# Allegro board 6089-103-RevB_76.brd (continued)
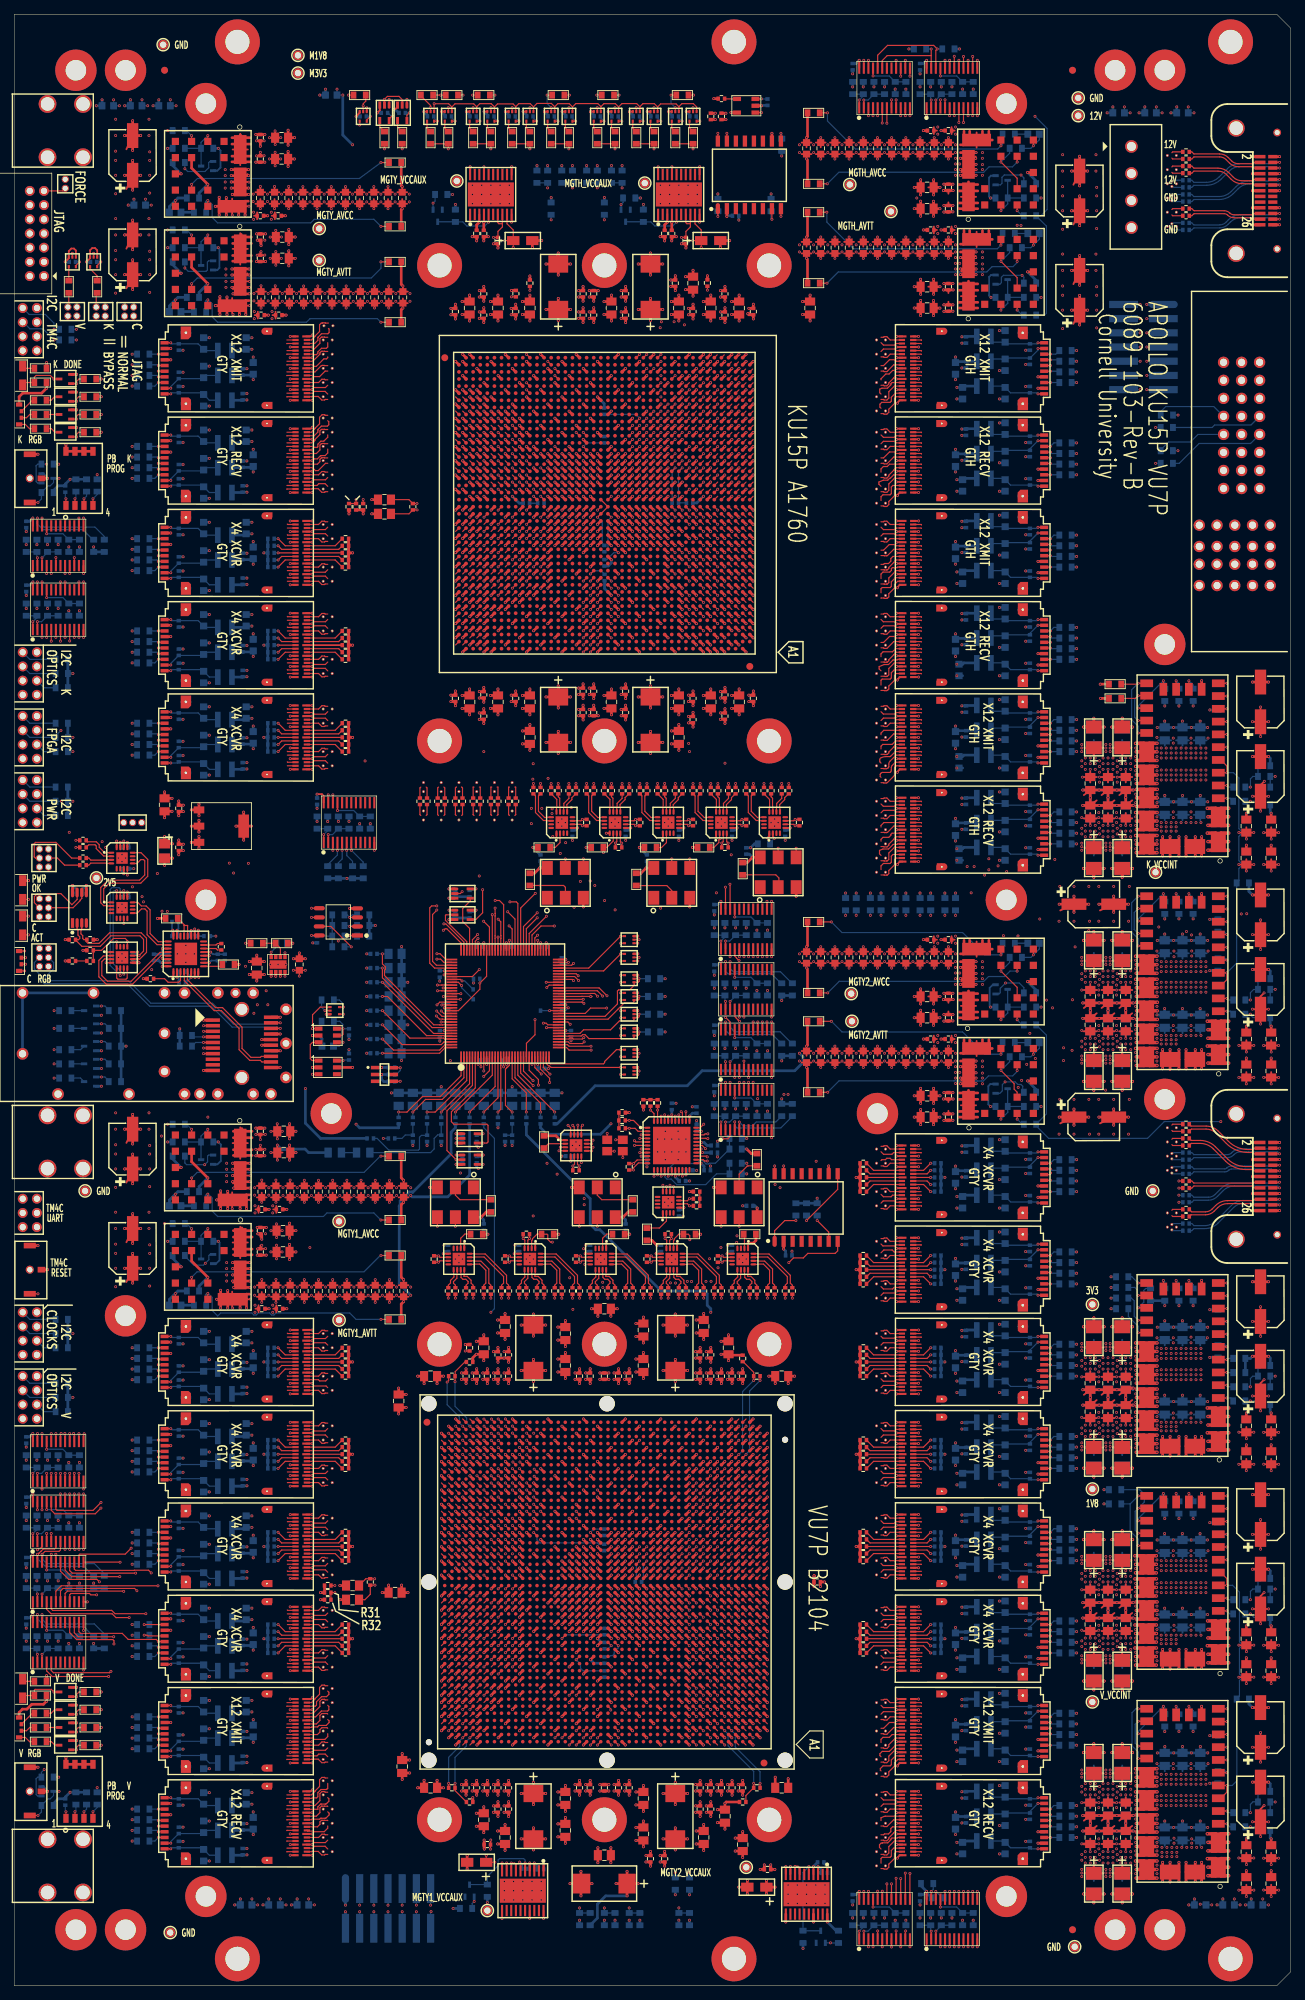
[diagram p0: board, top side]
## Nets (continued)
Pads without a net: BR1 1 2 3 4; BR2 1 2 3 4; BR3 1 2 3 4; H1 1; H2 1; H3 1; H4 1; H5 1; H6 1; H7 1; H8 1; H9 1; H10 1; H11 1; H12 1; H13 1; H14 1; H15 1; H16 1; H17 1; H18 1; J1 12 14; J2 5 6; J6 6; NOREF#2 1; NOREF#5 1; NOREF#7 1; NOREF#12 1; NOREF#13 1; NOREF#14 1; NOREF#15 1; P1 24; P2 15 16 17 18 G1 G2 G3 G4; P3 G1 G2 G3 G4; Q13 2; Q14 2; Q15 2; Q16 2; SP1 1 2 3; SP2 1 2 3; U1 1 7 11 15 16 17 18 19 20; U2 15 16 19 20; U3 17 18 19 20; U4 10 11 13 14 15 16 17 18; U5 1 10 11 19 20; U6 1 6 7 8 9 10 11 17 18 19 20; U8 1 4; U10 5 6 10 11; U11 3 4 5 6 8 10 11; U12 14 15; U13 8 9; U14 11 16 22; U15 4 5 12 13 14 16; U16 4 5 12 13 14 16; U17 4 5 12 13 14 16; U18 4 5 12 13 14 16; U31 7; U33 4; U36 8 9 10 11 13 14 15 16 17 18 19 20; U39 3 5; U43 1; U44 3 4 8; U51 2 6 12 13 14 15 16 18 19; U52 65 67 89; U54 2 6 12 13 14 15 16 18 19; U56 8; U58 3 4 8 15 16; U59 1; U61 3 4 8; U63 1; U64 3 4 8; U65 A3 A4 A9 A10 A11 A13 A14 A15 A16 A18 A19 A20 A21 A25 A26 A28 A29 A30 A31 A33 A34 A35 A36 A39 A40 AA30 AA31 AA34 AA35 AA38 AA39 AB9 AB10 AB32 AB33 AB36 AB37 AB41 AB42 AC11 AC12 AC21 AC22 AC39 AC40 AD9 AD10 AD41 AD42 AE11 AE12 AE30 AE31 AG30 AG31 AH9 AH10 AJ11 AJ12 AJ19 AJ20 AJ22 AJ23 AJ25 AJ27 AJ29 AJ30 AK9 AK10 AK20 AK21 AK22 AK23 AK25 AK26 AK27 AK28 AK30 AK31 AK32 AL19 AL20 AL21 AL23 AL26 AL28 AL29 AL30 AL31 AM19 AM21 AM22 AM23 AM24 AM26 AM27 AM28 AM29 AM31 AM32 AN19 AN20 AN21 AN22 AN24 AN25 AN26 AN27 AN29 AN30 AN31 AN32 AP14 AP15 AP17 AP18 AP19 AP20 AP22 AP23 AP24 AP25 AP27 AP28 AP29 AP30 AP32 AP33 AR15 AR16 AR17 AR18 AR20 AR21 AR22 AR23 AR25 AR26 AR27 AR28 AR30 AR31 AR32 AR33 AR35 AR36 AR37 AT13 AT14 AT15 AT16 AT18 AT19 AT20 AT21 AT23 AT24 AT25 AT26 AT28 AT29 AT30 AT31 AT33 AT34 AT35 AT36 AU12 AU13 AU16 AU17 AU18 AU19 AU21 AU22 AU23 AU24 AU26 AU27 AU28 AU29 AU31 AU33 AU34 AU36 AU37 AU38 AV5 AV6 AV12 AV15 AV16 AV17 AV19 AV20 AV21 AV22 AV24 AV25 AV26 AV27 AV29 AV30 AV31 AV34 AV35 AV36 AV37 AV39 AV40 AV41 AV42 AW13 AW14 AW15 AW17 AW18 AW19 AW20 AW22 AW23 AW24 AW25 AW27 AW29 AW30 AW32 AW33 AW34 AW35 AW37 AW38 AW39 AW40 AW42 AY5 AY6 AY10 AY11 AY12 AY13 AY17 AY18 AY20 AY21 AY22 AY23 AY25 AY26 AY27 AY30 AY31 AY32 AY33 AY35 AY36 AY37 AY38 AY40 AY41 AY42 B1 B2 B5 B6 B10 B11 B12 B13 B14 B16 B17 B18 B19 B21 B26 B27 B28 B29 B31 B32 B33 B34 B36 B37 BA9 BA10 BA11 BA13 BA15 BA16 BA18 BA19 BA20 BA21 BA23 BA24 BA25 BA26 BA28 BA30 BA31 BA33 BA34 BA35 BA36 BA38 BA39 BA40 BB9 BB11 BB12 BB13 BB18 BB19 BB21 BB22 BB23 BB24 BB26 BB27 BB28 BB29 BB31 BB33 BB34 BB36 BB37 BB38 BB39 C3 C4 C7 C8 C12 C14 C15 C16 C17 C19 C20 C25 C26 C27 C29 C30 C31 C32 C34 C35 C36 C37 D5 D6 D9 D10 D12 D13 D14 D15 D17 D18 D19 D20 D25 D27 D28 D29 D30 D32 D33 D34 D35 D37 E7 E8 E12 E13 E15 E16 E17 E18 E20 E25 E26 E27 E28 E30 E31 E32 E33 E35 E36 E37 F13 F14 F15 F16 F18 F19 F25 F26 F28 F29 F30 F31 F33 F34 F35 F36 G12 G13 G14 G16 G17 G18 G19 G26 G27 G28 G29 G31 G32 G33 G34 H12 H14 H15 H16 H17 H19 H25 H26 H27 H29 H30 H31 H32 H36 H37 J12 J13 J14 J15 J17 J18 J19 J24 J25 J27 J28 J29 J30 K9 K10 K15 K16 K17 K18 K25 K26 K27 K28 L11 L12 L14 L15 L16 L18 L19 L20 L25 L26 L28 L30 L31 M9 M10 M14 M16 M17 M18 M19 M21 M22 M24 M26 M27 M28 N11 N12 N14 N15 N16 N17 N19 N20 N21 N22 N24 N25 N26 N27 N28 P14 P15 P17 P18 P19 P20 P22 P23 P24 P25 P27 P28 R14 R15 R16 R17 R18 R21 R22 R23 R25 R26 R27 R28 R30 R31 T9 T10 T32 T33 U11 U12 V9 V10 W11 W12 W30 W31 Y32 Y33 Y36 Y37 Y41 Y42; U66 A13 A14 A15 A17 A18 A19 A20 A29 A30 A32 A33 A34 A35 A37 A38 A39 A40 AA32 AA33 AA34 AB10 AB11 AB31 AB32 AB34 AB38 AB39 AB43 AB44 AC31 AC32 AC33 AC34 AC40 AC41 AC45 AC46 AD10 AD11 AD30 AD31 AD33 AD34 AD38 AD39 AD43 AD44 AE30 AE31 AE32 AE33 AE36 AE37 AE40 AE41 AE45 AE46 AF30 AF32 AF33 AF34 AG29 AG30 AG31 AG32 AG34 AG36 AG37 AH28 AH29 AH31 AH32 AH33 AH34 AJ18 AJ19 AJ27 AJ28 AJ29 AJ30 AJ31 AJ33 AJ34 AK10 AK11 AK26 AK27 AK28 AK30 AK31 AK32 AL13 AL14 AL15 AL17 AL18 AL19 AL20 AL21 AL22 AL23 AL24 AL25 AL27 AL28 AL29 AL30 AL32 AL34 AM10 AM11 AM14 AM15 AM16 AM17 AM19 AM20 AM21 AM22 AM24 AM25 AM26 AM29 AM30 AM31 AM32 AM34 AN13 AN14 AN16 AN17 AN18 AN19 AN21 AN22 AN23 AN24 AN26 AN28 AN29 AN31 AN36 AN37 AP13 AP14 AP15 AP16 AP18 AP19 AP20 AP21 AP23 AP24 AP25 AP26 AP28 AP29 AP30 AP31 AR13 AR15 AR16 AR17 AR18 AR20 AR21 AR22 AR23 AR25 AR26 AR27 AR28 AR30 AR31 AR32 AR36 AR37 AT13 AT14 AT15 AT17 AT18 AT19 AT20 AT22 AT23 AT24 AT25 AT27 AT28 AT29 AT30 AT32 AU13 AU14 AU15 AU16 AU17 AU19 AU20 AU21 AU22 AU24 AU25 AU26 AU27 AU29 AU30 AU31 AU32 AV10 AV11 AV13 AV14 AV16 AV17 AV18 AV19 AV21 AV22 AV23 AV24 AV26 AV27 AV28 AV29 AV31 AV32 AV34 AV43 AV44 AW3 AW4 AW13 AW14 AW15 AW16 AW18 AW19 AW20 AW21 AW23 AW24 AW25 AW26 AW28 AW29 AW30 AW31 AW34 AW40 AW41 AY11 AY12 AY13 AY15 AY16 AY17 AY18 AY20 AY21 AY22 AY23 AY25 AY26 AY27 AY28 AY30 AY31 AY32 AY33 AY38 AY39 B10 B11 B14 B15 B16 B17 B19 B20 B21 B27 B31 B32 B34 B35 B36 B37 B39 B40 BA7 BA8 BA9 BA10 BA12 BA13 BA14 BA15 BA17 BA18 BA19 BA20 BA22 BA23 BA24 BA25 BA27 BA28 BA29 BA30 BA32 BA33 BB4 BB5 BB7 BB9 BB10 BB11 BB12 BB14 BB15 BB16 BB17 BB19 BB20 BB21 BB22 BB24 BB25 BB26 BB27 BB29 BB30 BB31 BB32 BB36 BB37 BC7 BC8 BC9 BC11 BC12 BC13 BC14 BC16 BC17 BC18 BC19 BC21 BC22 BC23 BC24 BC26 BC27 BC28 BC29 BC31 BC32 BC33 BC36 BC37 BD8 BD9 BD10 BD11 BD13 BD14 BD15 BD16 BD18 BD19 BD20 BD21 BD23 BD24 BD25 BD26 BD28 BD29 BD30 BD31 BD33 BD35 BE7 BE8 BE10 BE11 BE12 BE13 BE15 BE16 BE17 BE18 BE20 BE21 BE22 BE23 BE25 BE26 BE27 BE28 BE30 BE31 BE32 BE33 BE35 BF7 BF8 BF9 BF10 BF12 BF13 BF14 BF15 BF17 BF18 BF19 BF20 BF22 BF23 BF24 BF25 BF27 BF28 BF29 BF30 BF32 BF33 BF34 BF35 C13 C14 C16 C17 C18 C19 C21 C23 C24 C28 C29 C31 C32 C33 C34 C36 C37 C38 C39 D10 D11 D13 D14 D15 D16 D18 D19 D20 D21 D23 D24 D25 D26 D28 D29 D30 D31 D33 D34 D35 D36 D38 D39 D40 E13 E15 E16 E17 E18 E20 E21 E22 E23 E25 E26 E27 E28 E30 E31 E32 E33 E35 E36 E37 E38 E39 E40 F13 F14 F15 F17 F18 F19 F20 F22 F25 F27 F28 F29 F30 F32 F33 F34 F35 F37 F38 G14 G15 G16 G17 G19 G20 G21 G22 G24 G25 G26 G27 G29 G30 G31 G32 G34 G35 G36 G37 H13 H14 H16 H17 H18 H19 H21 H22 H23 H24 H26 H29 H31 H32 H33 H34 H36 H37 H38 J13 J14 J15 J16 J18 J19 J20 J21 J23 J24 J25 J26 J28 J29 J30 J31 J33 J34 J35 J36 K10 K11 K13 K15 K16 K17 K18 K20 K21 K22 K23 K25 K26 K27 K28 K30 K31 K32 K33 K34 K38 K39 L13 L14 L15 L17 L18 L19 L20 L22 L23 L24 L25 L27 L28 L29 L30 L32 L33 L34 L36 L37 M10 M11 M14 M15 M16 M17 M19 M20 M21 M22 M24 M25 M26 M27 M29 M30 M31 M32 M34 N13 N14 N16 N17 N18 N19 N21 N22 N23 N24 N26 N28 N29 N31 N32 N33 N34 P13 P14 P15 P16 P18 P19 P20 P21 P23 P24 P25 P26 P28 P29 P30 P31 P33 P34 R13 R15 R16 R17 R18 R20 R21 R25 R26 R27 R28 R30 R31 R32 R33 T26 T27 T28 T30 T32 T33 T34 U29 U30 U31 U32 U34 U36 U37 V10 V11 V31 V32 V33 V34 W30 W31 W33 W34 W36 W37 Y10 Y11 Y30 Y31 Y32 Y33; U68 8 15 16; U79 3 4 8 15 16; U80 3 4 8 13 14 15 16; U81 22 38 41 42; U82 1; U83 8; U85 2 6 12 13 14 15 16 18 19; U87 8 15 16; U88 1; U89 3 4 8; U91 15 16 17 18 19 20; U92 1 7 8 9 10 11 13 14 15 16 17 18 19 20; U93 1 8 9 10 11 18 19 20; U94 6 7 8 9 10 11 13 14 15 16; U95 3 4 5 6 11 12 13 14; U96 3 4 8 15 16; U97 1; U98 3 4 5 6 11 12 13 14; U99 2 6 12 13 14 15 16 18 19; U100 17 18; U102 1; U103 1; U118 4 5 12 13 14 16; U119 4 5 12 13 14 16; U120 4 5 12 13 14 16; U121 4 5 12 13 14 16; U122 12; U123 12; U124 8 12; U125 12; U126 12

## Via types
v1: diameter 0.406, hole 0.203, TOP to BOTTOM, 8206 vias

## Routing (per net, layer and track width the routed paths; a pad name or vN(x,y) marks a point on that pad's centre or on a via; arc(x,y) is an arc through that point)
GND: length 14949.1
  TOP w0.25: U114.A1 v1(124.39,57.4) ; U21.B1 v1(38.91,219.4) ; U29.B16 v1(38.91,32.9) ; U9.1 11.7,244.54 11.39,244.85 11,244.85 10.7,244.54 U9.3 10.7,243.41 v1(10.19,242.9) ; U24.A16 v1(42.01,172.9) ; U116.B10 v1(127.49,35.9) ; U117.B7 v1(127.49,21.4) ; U112.A19 v1(124.39,92.4) ; U113.A1 v1(124.39,70.4) ; U109.B1 v1(127.49,158.4) ; v1(25.96,148.73) 25.96,148.73 25.95,148.73 U14.17 ; U104.B19 v1(127.49,232.4) ; v1(124.5,222.98) 124.5,223.05 124.85,223.4 U104.A1 ; U110.B1 v1(127.49,109.4) ; U109.A1 124.85,158.4 124.5,158.05 v1(124.5,157.98) ; U107.B4 v1(127.49,185.9) ; U52.114 v1(60.63,137.8) ; U96.1 106.45,161.97 106.25,161.77 v1(106.25,161.7) ; U54.10 v1(68.78,17.3) ; U113.B13 v1(127.49,76.4) ; v1(42.03,219.6) 42,219.6 41.8,219.4 U21.A1 ; U111.B7 v1(127.49,99.4) ; U23.B13 v1(38.91,187.4) ; U20.A13 v1(42.01,226.4) ; U7.1 8.7,244.5 8.42,244.78 8.06,244.78 7.7,244.42 U7.3 7.7,243.41 v1(7.19,242.9) ; U109.A7 v1(124.39,161.4) ; U110.A7 v1(124.39,112.4) ; U20.A10 v1(42.01,227.9) ; U28.A4 v1(42.01,51.9) ; U105.A10 v1(124.39,214.9) ; U111.A1 v1(124.39,96.4) ; U117.B13 v1(127.49,24.4) ; U30.A1 41.8,27.4 42,27.6 v1(42.03,27.6) ; U68.1 v1(83.47,162.4) ; U111.A13 v1(124.39,102.4) ; U22.B7 v1(38.91,203.4) ; U111.A19 v1(124.39,105.4) ; U54.1 v1(74.62,17.3) ; U105.B7 v1(127.49,213.4) ; U94.12 v1(106.78,119.5) ; U24.B13 v1(38.91,174.4) ; U29.A13 v1(42.01,34.4) ; U30.A16 v1(42.01,19.9) ; U3.12 v1(9.78,70) ; U50.3 v1(66.24,264.07) ; U107.B16 v1(127.49,191.9) ; U54.20 v1(74.62,9.5) ; U25.A16 v1(42.01,84.9) ; U117.A1 124.85,18.4 124.5,18.05 v1(124.5,17.98) ; U42.3 v1(60.24,264.07) ; U25.A1 v1(42.01,92.4) ; U106.A4 v1(124.39,198.9) ; U21.A7 v1(42.01,216.4) ; U108.A1 124.85,171.4 124.5,171.05 v1(124.5,170.98) ; U111.A16 v1(124.39,103.9) ; U67.3 v1(83.74,264.07) ; U22.B13 v1(38.91,200.4) ; U110.B7 v1(127.49,112.4) ; U14.23 22.95,148.73 22.96,148.73 v1(22.96,148.73) ; U14.27 v1(20.9,146.15) ; U85.20 v1(90.78,256.3) ; U21.B7 v1(38.91,216.4) ; U117.B10 v1(127.49,22.9) ; U107.A16 v1(124.39,191.9) ; U27.A4 v1(42.01,64.9) ; U27.A1 v1(42.01,66.4) ; U21.A13 v1(42.01,213.4) ; U110.B16 v1(127.49,116.9) ; U28.B4 v1(38.91,51.9) ; U27.A19 v1(42.01,57.4) ; U107.B7 v1(127.49,187.4) ; U28.A7 v1(42.01,50.4) ; U116.B16 v1(127.49,38.9) ; U24.A1 v1(42.01,180.4) ; U110.A13 v1(124.39,115.4) ; U91.12 v1(106.78,145) ; U21.A4 v1(42.01,217.9) ; U56.1 v1(73.45,104.61) ; U22.B1 v1(38.91,206.4) ; U30.A7 v1(42.01,24.4) ; U114.A13 v1(124.39,63.4) ; U106.A19 v1(124.39,206.4) ; U26.B16 v1(38.91,71.9) ; U117.A10 v1(124.39,22.9) ; U110.A1 v1(124.39,109.4) ; U23.A1 v1(42.01,193.4) ; U114.B19 v1(127.49,66.4) ; U117.B19 v1(127.49,27.4) ; U21.B16 v1(38.91,211.9) ; U107.B19 v1(127.49,193.4) ; U104.A13 v1(124.39,229.4) ; U112.B4 v1(127.49,84.9) ; U111.A4 v1(124.39,97.9) ; U30.B10 v1(38.91,22.9) ; U111.B1 v1(127.49,96.4) ; U27.B1 v1(38.91,66.4) ; v1(25.49,142.07) 25.5,142.07 25.5,142.16 25.45,142.21 U14.7 ; U60.3 v1(77.24,264.07) ; U20.B13 v1(38.91,226.4) ; U26.A16 v1(42.01,71.9) ; U30.B16 v1(38.91,19.9) ; v1(124.5,30.98) 124.5,31.05 124.85,31.4 U116.A1 ; U111.A7 v1(124.39,99.4) ; U100.12 v1(126.28,263.5) ; U87.1 v1(98.95,161.69) ; U28.A19 v1(42.01,44.4) ; U20.A4 v1(42.01,230.9) ; U29.A7 v1(42.01,37.4) ; U26.A1 v1(42.01,79.4) ; U29.B1 v1(38.91,40.4) ; U51.10 v1(70.12,248.5) ; U14.30 20.98,144.65 v1(20.87,144.76) ; U113.A7 v1(124.39,73.4) ; U27.B4 v1(38.91,64.9) ; U104.B1 v1(127.49,223.4) ; U113.B7 v1(127.49,73.4) ; U78.3 v1(89.24,264.07) ; U116.B1 v1(127.49,31.4) ; U106.B4 v1(127.49,198.9) ; U104.A4 v1(124.39,224.9) ; U92.12 v1(106.78,136.5) ; U26.B4 v1(38.91,77.9) ; U115.B1 v1(127.49,44.4) ; U106.B10 v1(127.49,201.9) ; U23.B16 v1(38.91,185.9) ; U21.B13 v1(38.91,213.4) ; U107.A19 v1(124.39,193.4) ; U109.B10 v1(127.49,162.9) ; U84.3 v1(92.24,264.07) ; U22.A1 v1(42.01,206.4) ; U109.B16 v1(127.49,165.9) ; U23.B1 v1(38.91,193.4) ; U116.B13 v1(127.49,37.4) ; U21.A10 v1(42.01,214.9) ; U110.A16 v1(124.39,116.9) ; U10.15 v1(14.95,161.11) ; U1.12 v1(9.78,199) ; U30.B13 v1(38.91,21.4) ; U29.A4 v1(42.01,38.9) ; U116.A16 v1(124.39,38.9) ; v1(42.03,232.6) 42,232.6 41.8,232.4 U20.A1 ; U83.1 v1(93.45,104.61) ; U14.8 25.95,142.21 26.02,142.13 v1(26.02,142.07) ; 66.22,255.2 v1(66.22,256.3) ; U108.B7 v1(127.49,174.4) ; U24.A7 v1(42.01,177.4) ; v1(48.19,263.4) 48.7,263.91 U37.3 ; U26.B1 v1(38.91,79.4) ; U115.B4 v1(127.49,45.9) ; U112.B19 v1(127.49,92.4) ; U117.A4 v1(124.39,19.9) ; U116.B19 v1(127.49,40.4) ; U51.20 v1(64.28,256.3) ; U77.3 v1(86.74,264.07) ; U107.A7 v1(124.39,187.4) ; U114.B16 v1(127.49,64.9) ; U28.B13 v1(38.91,47.4) ; U28.B1 v1(38.91,53.4) ; U106.B16 v1(127.49,204.9) ; U14.19 v1(24.95,148.7) ; U29.A10 v1(42.01,35.9) ; U27.B13 v1(38.91,60.4) ; U10.13 v1(15.95,161.11) ; U25.B7 v1(38.91,89.4) ; U113.A13 v1(124.39,76.4) ; U23.A13 v1(42.01,187.4) ; U112.B7 v1(127.49,86.4) ; U108.A16 v1(124.39,178.9) ; U26.A7 v1(42.01,76.4) ; U105.B13 v1(127.49,216.4) ; U25.B19 v1(38.91,83.4) ; U79.1 v1(91.45,161.69) ; U21.A19 v1(42.01,210.4) ; U108.A10 v1(124.39,175.9) ; U27.B16 v1(38.91,58.9) ; U115.A1 v1(124.39,44.4) ; U22.B16 v1(38.91,198.9) ; U85.1 v1(90.78,248.5) ; U6.12 v1(9.78,44.5) ; U105.B4 v1(127.49,211.9) ; U112.B1 v1(127.49,83.4) ; U107.A4 v1(124.39,185.9) ; U113.B1 v1(127.49,70.4) ; U22.A7 v1(42.01,203.4) ; U110.B13 v1(127.49,115.4) ; U30.A13 v1(42.01,21.4) ; U52.64 v1(77.77,144.6) ; U108.A7 v1(124.39,174.4) ; U101.12 v1(126.28,5.5) ; U108.A4 v1(124.39,172.9) ; 92.72,255.2 v1(92.72,256.3) ; U24.A19 v1(42.01,171.4) ; U40.3 54.04,264.74 53.7,264.4 v1(53.52,264.4) ; U109.A19 v1(124.39,167.4) ; U28.B7 v1(38.91,50.4) ; U80.1 v1(91.45,108.19) ; U109.B7 v1(127.49,161.4) ; U86.3 v1(94.74,264.07) ; U52.48 v1(77.77,138.2) ; U23.A16 v1(42.01,185.9) ; U116.A10 v1(124.39,35.9) ; U104.A10 v1(124.39,227.9) ; v1(42.03,40.6) 42,40.6 41.8,40.4 U29.A1 ; U51.11 v1(70.12,256.3) ; U109.A16 v1(124.39,165.9) ; U117.A13 v1(124.39,24.4) ; U44.1 v1(63.45,104.61) ; U20.A16 v1(42.01,224.9) ; U24.A13 v1(42.01,174.4) ; U105.B10 v1(127.49,214.9) ; U22.B4 v1(38.91,204.9) ; U27.A16 v1(42.01,58.9) ; U29.B13 v1(38.91,34.4) ; U114.A4 v1(124.39,58.9) ; U52.80 v1(69.4,146.97) ; U27.A13 v1(42.01,60.4) ; U105.A1 124.85,210.4 124.5,210.05 v1(124.5,209.98) ; U57.3 v1(74.74,264.07) ; U23.B7 v1(38.91,190.4) ; U28.B19 v1(38.91,44.4) ; U26.B7 v1(38.91,76.4) ; U14.13 v1(27.7,145.65) ; U106.A1 124.85,197.4 124.5,197.05 v1(124.5,196.98) ; U20.B7 v1(38.91,229.4) ; U117.B16 v1(127.49,25.9) ; U30.B19 v1(38.91,18.4) ; U85.11 v1(96.62,256.3) ; U113.B16 v1(127.49,77.9) ; U114.A16 v1(124.39,64.9) ; U112.A16 v1(124.39,90.9) ; U116.A13 v1(124.39,37.4) ; U20.B4 v1(38.91,230.9) ; U108.A19 v1(124.39,180.4) ; U61.1 v1(76.99,119.15) ; U30.B1 v1(38.91,27.4) ; U29.B7 v1(38.91,37.4) ; U24.A4 v1(42.01,178.9) ; U27.B7 v1(38.91,63.4) ; U116.A7 v1(124.39,34.4) ; U115.A7 v1(124.39,47.4) ; 135.78,264.6 v1(135.78,263.5) ; U26.B19 v1(38.91,70.4) ; U104.B16 v1(127.49,230.9) ; U109.A4 v1(124.39,159.9) ; U25.A13 v1(42.01,86.4) ; U5.12 v1(10.31,54.1) ; U23.B4 v1(38.91,191.9) ; U105.B19 v1(127.49,219.4) ; U26.A13 v1(42.01,73.4) ; U112.B16 v1(127.49,90.9) ; U25.A7 v1(42.01,89.4) ; U116.A19 v1(124.39,40.4) ; U25.B16 v1(38.91,84.9) ; U25.A19 v1(42.01,83.4) ; U28.A1 v1(42.01,53.4) ; U2.12 v1(9.78,190) ; U21.B4 v1(38.91,217.9) ; U11.13 v1(15.95,154.11) ; U25.A4 v1(42.01,90.9) ; U108.A13 v1(124.39,177.4) ; U111.B13 v1(127.49,102.4) ; U112.A4 v1(124.39,84.9) ; U26.A19 v1(42.01,70.4) ; U22.A19 v1(42.01,197.4) ; U105.A4 v1(124.39,211.9) ; U117.A7 v1(124.39,21.4) ; v1(51.19,263.9) 51.54,264.25 U38.3 ; U26.B13 v1(38.91,73.4) ; U52.17 v1(69.4,129.83) ; U93.12 v1(106.78,128) ; U29.B19 v1(38.91,31.4) ; U108.B1 v1(127.49,171.4) ; U49.3 v1(63.74,264.07) ; U105.A16 v1(124.39,217.9) ; U114.A7 v1(124.39,60.4) ; U28.A13 v1(42.01,47.4) ; U85.10 v1(96.62,248.5) ; U64.1 v1(83.45,104.61) ; U109.A10 v1(124.39,162.9) ; U62.3 v1(81.24,264.07) ; U14.6 v1(24.95,142.09) ; 135.78,6.6 v1(135.78,5.5) ; U111.B16 v1(127.49,103.9) ; U109.B19 v1(127.49,167.4) ; U37.1 v1(49.7,264.61) ; U108.B10 v1(127.49,175.9) ; U106.A7 v1(124.39,200.4) ; U20.B19 v1(38.91,223.4) ; U29.B10 v1(38.91,35.9) ; U25.B13 v1(38.91,86.4) ; U89.1 v1(103.45,104.61) ; U112.A1 v1(124.39,83.4) ; U109.B13 v1(127.49,164.4) ; U22.A13 v1(42.01,200.4) ; U114.B4 v1(127.49,58.9) ; U23.B19 v1(38.91,184.4) ; U107.A1 124.85,184.4 124.5,184.05 v1(124.5,183.98) ; U115.B19 v1(127.49,53.4) ; U115.A19 v1(124.39,53.4) ; U117.A16 v1(124.39,25.9) ; U117.B1 v1(127.49,18.4) ; U105.B16 v1(127.49,217.9) ; U116.B4 v1(127.49,32.9) ; U108.B13 v1(127.49,177.4) ; U115.B16 v1(127.49,51.9) ; U104.A19 v1(124.39,232.4) ; U109.B4 v1(127.49,159.9) ; U106.B1 v1(127.49,197.4) ; U27.B19 v1(38.91,57.4) ; U29.B4 v1(38.91,38.9) ; U107.A13 v1(124.39,190.4) ; U115.A16 v1(124.39,51.9) ; U21.B10 v1(38.91,214.9) ; U24.B7 v1(38.91,177.4) ; U111.B4 v1(127.49,97.9) ; U52.88 v1(66.2,146.97) ; U110.B19 v1(127.49,118.4) ; U105.A13 v1(124.39,216.4) ; U99.1 v1(114.62,16.8) ; U21.A16 v1(42.01,211.9) ; U110.B4 v1(127.49,110.9) ; U53.3 v1(69.24,264.07) ; U115.B13 v1(127.49,50.4) ; U52.10 v1(66.6,129.83) ; U104.B4 v1(127.49,224.9) ; U24.B1 v1(38.91,180.4) ; U20.A19 v1(42.01,223.4) ; U28.A16 v1(42.01,45.9) ; U107.B1 v1(127.49,184.4) ; U111.B19 v1(127.49,105.4) ; U116.A4 v1(124.39,32.9) ; U116.B7 v1(127.49,34.4) ; U115.B7 v1(127.49,47.4) ; U30.A19 v1(42.01,18.4) ; U4.12 v1(9.78,61.5) ; U28.B16 v1(38.91,45.9) ; U22.A16 v1(42.01,198.9) ; U27.A7 v1(42.01,63.4) ; U106.B7 v1(127.49,200.4) ; U109.A13 v1(124.39,164.4) ; U114.A19 v1(124.39,66.4) ; U107.B10 v1(127.49,188.9) ; U54.11 v1(68.78,9.5) ; U115.A4 v1(124.39,45.9) ; U21.B19 v1(38.91,210.4) ; U112.A13 v1(124.39,89.4) ; U106.A13 v1(124.39,203.4) ; U110.A19 v1(124.39,118.4) ; U20.B10 v1(38.91,227.9) ; U106.B13 v1(127.49,203.4) ; U24.B4 v1(38.91,178.9) ; U117.B4 v1(127.49,19.9) ; U106.A16 v1(124.39,204.9) ; U113.A16 v1(124.39,77.9) ; U108.B16 v1(127.49,178.9) ; U58.1 v1(76.45,161.69) ; U114.B13 v1(127.49,63.4) ; U25.B4 v1(38.91,90.9) ; U117.A19 v1(124.39,27.4) ; U107.B13 v1(127.49,190.4) ; U113.B4 v1(127.49,71.9) ; U104.B10 v1(127.49,227.9) ; U104.B7 v1(127.49,226.4) ; U113.A19 v1(124.39,79.4) ; U24.B19 v1(38.91,171.4) ; U110.A4 v1(124.39,110.9) ; U23.A7 v1(42.01,190.4) ; U20.B1 v1(38.91,232.4) ; U99.10 v1(108.78,16.8) ; U24.B16 v1(38.91,172.9) ; U20.B16 v1(38.91,224.9) ; U29.A19 v1(42.01,31.4) ; U41.3 v1(57.74,264.07) ; U55.3 v1(71.74,264.07) ; U113.A4 v1(124.39,71.9) ; U114.B7 v1(127.49,60.4) ; U113.B19 v1(127.49,79.4) ; U30.B4 v1(38.91,25.9) ; U23.A19 v1(42.01,184.4) ; U25.B1 v1(38.91,92.4) ; U105.A7 v1(124.39,213.4) ; U20.A7 v1(42.01,229.4) ; U23.A4 v1(42.01,191.9) ; U30.A10 v1(42.01,22.9) ; U54.17 v1(72.67,9.5) ; U108.B4 v1(127.49,172.9) ; U104.A16 v1(124.39,230.9) ; U115.A13 v1(124.39,50.4) ; U104.A7 v1(124.39,226.4) ; U112.B13 v1(127.49,89.4) ; U105.B1 v1(127.49,210.4) ; U107.A10 v1(124.39,188.9) ; U106.A10 v1(124.39,201.9) ; U104.B13 v1(127.49,229.4) ; U22.A4 v1(42.01,204.9) ; U105.A19 v1(124.39,219.4) ; U112.A7 v1(124.39,86.4) ; U36.12 v1(50.77,160) ; U29.A16 v1(42.01,32.9) ; U52.66 v1(75,146.97) ; U22.B19 v1(38.91,197.4) ; U30.A4 v1(42.01,25.9) ; U106.B19 v1(127.49,206.4) ; U108.B19 v1(127.49,180.4) ; U114.B1 v1(127.49,57.4) ; U51.1 v1(64.28,248.5) ; U30.B7 v1(38.91,24.4) ; U26.A4 v1(42.01,77.9)
  TOP w0.254: 115.01,258.09 C321.2 ; C321.2 115.7,257.43 ; C321.2 116.39,258.09 ; C34.2 36.9,113.37 ; C34.2 37.59,112.71 ; C34.2 36.21,112.71 ; C331.2 120.39,144.09 ; C331.2 119.7,143.43 ; C331.2 119.01,144.09 ; C65.2 47.39,252.71 ; C65.2 46.7,253.37 ; C65.2 46.01,252.71 ; 32.1,100.16 33.13,100.16 ; 150.8,167.77 C383.2 ; 131.01,244.09 C370.2 ; C370.2 131.7,243.43 ; C370.2 132.39,244.09 ; C72.2 49.59,98.71 ; C72.2 48.9,99.37 ; C72.2 48.21,98.71 ; C18.2 35.39,252.71 ; C18.2 34.01,252.71 ; C18.2 34.7,253.37 ; 121.7,143.43 C335.2 ; C335.2 121.01,144.09 ; C335.2 122.39,144.09 ; C77.2 51.59,98.71 ; C77.2 50.9,99.37 ; C77.2 50.21,98.71 ; 155.8,23.27 C433.2 ; C50.2 38.9,113.37 ; C50.2 38.21,112.71 ; C50.2 39.59,112.71 ; C406.2 155.1,167.03 ; C426.2 157.6,167.03 ; C66.2 47.49,238.71 ; C66.2 46.8,239.37 ; C66.2 46.11,238.71 ; C428.2 157.6,137.03 ; C324.2 116.39,130.09 ; C324.2 115.01,130.09 ; C324.2 115.7,129.43 ; 111.7,129.43 C314.2 ; C314.2 111.01,130.09 ; C314.2 112.39,130.09 ; C80.2 53.49,238.71 ; C80.2 52.11,238.71 ; C80.2 52.8,239.37 ; C82.2 52.9,99.37 ; C82.2 52.21,98.71 ; C82.2 53.59,98.71 ; 117.7,129.43 C328.2 ; C328.2 118.39,130.09 ; C328.2 117.01,130.09 ; 125.01,144.09 C343.2 ; C343.2 126.39,144.09 ; C343.2 125.7,143.43 ; C378.2 132.39,130.09 ; C378.2 131.01,130.09 ; C378.2 131.7,129.43 ; 123.01,258.09 C337.2 ; C337.2 124.39,258.09 ; C337.2 123.7,257.43 ; C56.2 41.59,98.71 ; C56.2 40.21,98.71 ; C56.2 40.9,99.37 ; C62.2 45.49,238.71 ; C62.2 44.11,238.71 ; C62.2 44.8,239.37 ; C341.2 126.39,258.09 ; C341.2 125.01,258.09 ; C341.2 125.7,257.43 ; 129.7,143.43 C363.2 ; C363.2 129.01,144.09 ; C363.2 130.39,144.09 ; C412.2 155.1,52.53 ; C32.2 36.7,253.37 ; C32.2 37.39,252.71 ; C32.2 36.01,252.71 ; 153.07,121.52 C398.2 ; 48.21,112.71 C71.2 ; C71.2 48.9,113.37 ; C71.2 49.59,112.71 ; C88.2 55.59,112.71 ; C88.2 54.9,113.37 ; C88.2 54.21,112.71 ; C79.2 52.7,253.37 ; C79.2 52.01,252.71 ; C79.2 53.39,252.71 ; 127.7,243.43 C346.2 ; C346.2 128.39,244.09 ; C346.2 127.01,244.09 ; C74.2 51.39,252.71 ; C74.2 50.7,253.37 ; C74.2 50.01,252.71 ; U15.2 32.88,255.27 ; 34.11,238.71 C26.2 ; C26.2 34.8,239.37 ; C26.2 35.49,238.71 ; 44.21,112.71 C63.2 ; C63.2 45.59,112.71 ; C63.2 44.9,113.37 ; C89.2 54.9,99.37 ; C89.2 54.21,98.71 ; C89.2 55.59,98.71 ; C70.2 49.49,238.71 ; C70.2 48.11,238.71 ; C70.2 48.8,239.37 ; C336.2 122.39,130.09 ; C336.2 121.7,129.43 ; C336.2 121.01,130.09 ; C76.2 51.59,112.71 ; C76.2 50.21,112.71 ; C76.2 50.9,113.37 ; C48.2 38.7,253.37 ; C48.2 39.39,252.71 ; C48.2 38.01,252.71 ; 131.7,143.43 C374.2 ; C374.2 131.01,144.09 ; C374.2 132.39,144.09 ; 113.01,144.09 C319.2 ; C319.2 114.39,144.09 ; C319.2 113.7,143.43 ; C75.2 50.8,239.37 ; C75.2 50.11,238.71 ; C75.2 51.49,238.71 ; 40.21,112.71 C55.2 ; C55.2 41.59,112.71 ; C55.2 40.9,113.37 ; C68.2 46.9,99.37 ; C68.2 47.59,98.71 ; C68.2 46.21,98.71 ; 113.7,129.43 C320.2 ; C320.2 113.01,130.09 ; C320.2 114.39,130.09 ; 123.7,243.43 C338.2 ; C338.2 124.39,244.09 ; C338.2 123.01,244.09 ; 42.21,112.71 C59.2 ; C59.2 42.9,113.37 ; C59.2 43.59,112.71 ; C323.2 116.39,144.09 ; C323.2 115.01,144.09 ; C323.2 115.7,143.43 ; 149.32,253.77 C381.2 ; 44.01,252.71 C61.2 ; C61.2 45.39,252.71 ; C61.2 44.7,253.37 ; 117.7,143.43 C327.2 ; C327.2 118.39,144.09 ; C327.2 117.01,144.09 ; C51.2 39.59,98.71 ; C51.2 38.21,98.71 ; C51.2 38.9,99.37 ; C81.2 53.59,112.71 ; C81.2 52.21,112.71 ; C81.2 52.9,113.37 ; C69.2 49.39,252.71 ; C69.2 48.01,252.71 ; C69.2 48.7,253.37 ; C333.2 122.39,258.09 ; C333.2 121.01,258.09 ; C333.2 121.7,257.43 ; C432.2 157.6,52.53 ; U121.2 135.55,129.74 ; U121.2 133.51,127.53 ; U121.2 135,128.64 ; C57.2 43.39,252.71 ; C57.2 42.7,253.37 ; C57.2 42.01,252.71 ; C362.2 130.39,244.09 ; C362.2 129.7,243.43 ; C362.2 129.01,244.09 ; 32.1,114.16 33.13,114.16 ; 111.01,258.09 C311.2 ; C311.2 111.7,257.43 ; C311.2 112.39,258.09 ; 34.21,112.71 C28.2 ; C28.2 34.9,113.37 ; C28.2 35.59,112.71 ; 119.7,243.43 C330.2 ; C330.2 119.01,244.09 ; C330.2 120.39,244.09 ; 15.82,258.77 C5.2 ; C85.2 55.39,252.71 ; C85.2 54.01,252.71 ; C85.2 54.7,253.37 ; 131.7,257.43 C366.2 ; C366.2 132.39,258.09 ; C366.2 131.01,258.09 ; 129.01,258.09 C361.2 ; C361.2 129.7,257.43 ; C361.2 130.39,258.09 ; C318.2 114.39,244.09 ; C318.2 113.7,243.43 ; C318.2 113.01,244.09 ; 123.01,130.09 C340.2 ; C340.2 123.7,129.43 ; C340.2 124.39,130.09 ; C317.2 114.39,258.09 ; C317.2 113.7,257.43 ; C317.2 113.01,258.09 ; 36.21,98.71 C35.2 ; C35.2 36.9,99.37 ; C35.2 37.59,98.71 ; 36.11,238.71 C33.2 ; C33.2 36.8,239.37 ; C33.2 37.49,238.71 ; 149.32,239.77 C382.2 ; C430.2 157.6,82.53 ; C49.2 39.49,238.71 ; C49.2 38.8,239.37 ; C49.2 38.11,238.71 ; C30.2 34.9,99.37 ; C30.2 34.21,98.71 ; C30.2 35.59,98.71 ; 30.85,239.06 U16.2 32.88,241.27 ; 127.01,144.09 C347.2 ; C347.2 127.7,143.43 ; C347.2 128.39,144.09 ; U120.2 135.55,143.74 ; U120.2 133.51,141.53 ; U120.2 135,142.64 ; 153.3,53.27 C411.2 ; C312.2 112.39,244.09 ; C312.2 111.01,244.09 ; C312.2 111.7,243.43 ; C67.2 47.59,112.71 ; C67.2 46.9,113.37 ; C67.2 46.21,112.71 ; 119.01,258.09 C329.2 ; C329.2 119.7,257.43 ; C329.2 120.39,258.09 ; 42.11,238.71 C58.2 ; C58.2 43.49,238.71 ; C58.2 42.8,239.37 ; 44.21,98.71 C64.2 ; C64.2 44.9,99.37 ; C64.2 45.59,98.71 ; U118.2 135,256.64 ; U118.2 133.51,255.53 ; U118.2 135.55,257.74 ; 123.7,143.43 C339.2 ; C339.2 123.01,144.09 ; C339.2 124.39,144.09 ; 150.8,53.27 C389.2 ; U119.2 135.55,243.74 ; U119.2 133.51,241.53 ; U119.2 135,242.64 ; C364.2 130.39,130.09 ; C364.2 129.7,129.43 ; C364.2 129.01,130.09 ; 127.01,258.09 C345.2 ; C345.2 128.39,258.09 ; C345.2 127.7,257.43 ; C392.2 152.6,22.53 ; 153.3,23.27 C413.2 ; C390.2 152.6,52.53 ; 153.07,151.52 C395.2 ; 15.82,118.77 C7.2 ; 125.01,130.09 C344.2 ; C344.2 126.39,130.09 ; C344.2 125.7,129.43 ; 153.3,137.77 C407.2 ; 117.01,244.09 C326.2 ; C326.2 118.39,244.09 ; C326.2 117.7,243.43 ; 155.8,137.77 C427.2 ; C325.2 118.39,258.09 ; C325.2 117.01,258.09 ; C325.2 117.7,257.43 ; C322.2 116.39,244.09 ; C322.2 115.01,244.09 ; C322.2 115.7,243.43 ; 155.8,167.77 C425.2 ; C60.2 42.9,99.37 ; C60.2 42.21,98.71 ; C60.2 43.59,98.71 ; C388.2 152.6,82.53 ; 127.7,129.43 C348.2 ; C348.2 127.01,130.09 ; C348.2 128.39,130.09 ; 31.9,254.16 32.94,254.16 ; 15.82,244.77 C6.2 ; C408.2 155.1,137.03 ; 153.3,83.27 C409.2 ; 150.8,83.27 C387.2 ; 15.82,104.77 C8.2 ; 150.8,23.27 C391.2 ; C414.2 155.1,22.53 ; C384.2 152.6,167.03 ; 32,240.16 33.03,240.16 ; 125.7,243.43 C342.2 ; C342.2 125.01,244.09 ; C342.2 126.39,244.09 ; 155.8,53.27 C431.2 ; 40.11,238.71 C54.2 ; C54.2 41.49,238.71 ; C54.2 40.8,239.37 ; C53.2 41.39,252.71 ; C53.2 40.7,253.37 ; C53.2 40.01,252.71 ; C334.2 122.39,244.09 ; C334.2 121.7,243.43 ; C334.2 121.01,244.09 ; 111.7,143.43 C313.2 ; C313.2 112.39,144.09 ; C313.2 111.01,144.09 ; 119.7,129.43 C332.2 ; C332.2 119.01,130.09 ; C332.2 120.39,130.09 ; C386.2 152.6,137.03 ; 150.8,137.77 C385.2 ; 155.8,83.27 C429.2 ; C87.2 55.49,238.71 ; C87.2 54.11,238.71 ; C87.2 54.8,239.37 ; C434.2 157.6,22.53 ; 153.3,167.77 C405.2 ; 30.85,113.06 U17.2 ; C410.2 155.1,82.53 ; 30.85,99.06 U18.2